# KiCad board RASBB.kicad_pcb (continued)
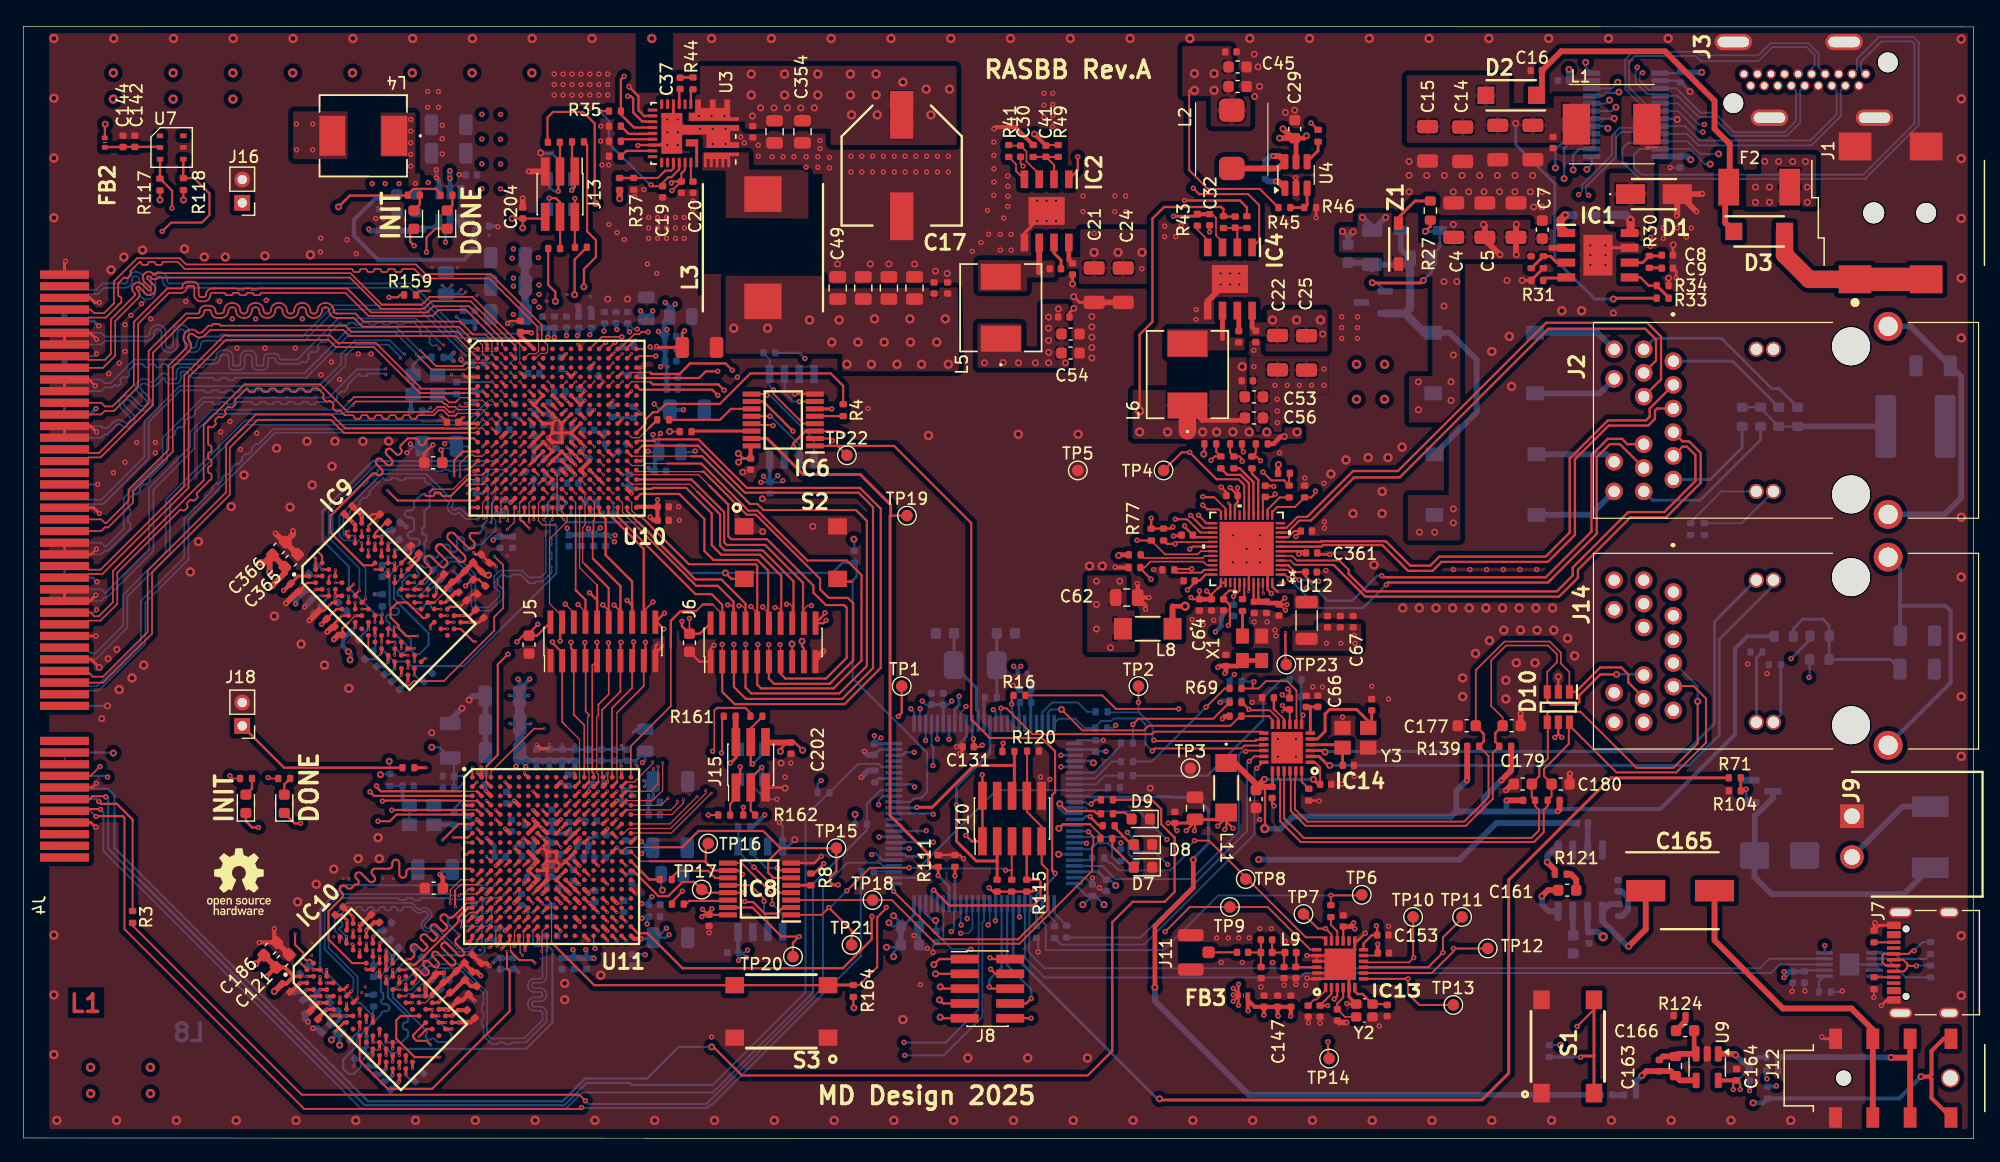
[diagram p0: board, top side]
## Nets (continued)
/Config-SPI FLASH/MUX_EN2: IC8.15 IC12.68 R112.2 TP20.1
/Config-SPI FLASH/SCK_Flash_FPGA1: IC6.14 R1.2
/Config-SPI FLASH/SCK_Flash_FPGA2: IC8.14 R6.1
/Config-SPI FLASH/SI_Flash_FPGA1: IC6.11 R2.2
/Config-SPI FLASH/SI_Flash_FPGA2: IC8.11 R7.1
/Config-SPI FLASH/SO_Flash_FPGA1: IC6.5 R4.2
/Config-SPI FLASH/SO_Flash_FPGA2: IC8.5 R8.1
/Config-SPI FLASH/SWITCH_FLASH_1: IC6.1 IC12.54 R113.1 TP22.1
/Config-SPI FLASH/SWITCH_FLASH_2: IC8.1 IC12.34 R106.2 TP21.1
/CS2_FLASH_uC: IC12.80 U11.U18
/CS_FLASH_FPGA2: IC8.2 U11.L13
/CS_FLASH_uC: IC6.3 IC8.3 IC12.41 TP18.1 U10.E18
/DDR3-01/CK_N: IC9.K7 R87.2 U10.V9
/DDR3-01/CK_P: IC9.J7 R87.1 U10.U9
/DDR3-01/DDR301_A0: IC9.N3 U10.R2
/DDR3-01/DDR301_A1: IC9.P7 U10.M6
/DDR3-01/DDR301_A2: IC9.P3 U10.N4
/DDR3-01/DDR301_A3: IC9.N2 U10.T1
/DDR3-01/DDR301_A4: IC9.P8 U10.N6
/DDR3-01/DDR301_A5: IC9.P2 U10.R7
/DDR3-01/DDR301_A6: IC9.R8 U10.V6
/DDR3-01/DDR301_A7: IC9.R2 U10.U7
/DDR3-01/DDR301_A8: IC9.T8 U10.R8
/DDR3-01/DDR301_A9: IC9.R3 U10.V7
/DDR3-01/DDR301_A10/AP: IC9.L7 U10.R6
/DDR3-01/DDR301_A11: IC9.R7 U10.U6
/DDR3-01/DDR301_A12/nBC: IC9.N7 U10.T6
/DDR3-01/DDR301_A13: IC9.T3 U10.T8
/DDR3-01/DDR301_BA0: IC9.M2 U10.R1
/DDR3-01/DDR301_BA1: IC9.N8 U10.P4
/DDR3-01/DDR301_BA2: IC9.M3 U10.P2
/DDR3-01/DDR301_CLKE: IC9.K9 U10.N5
/DDR3-01/DDR301_DQ0: IC9.E3 U10.K5
/DDR3-01/DDR301_DQ1: IC9.F7 U10.L3
/DDR3-01/DDR301_DQ2: IC9.F2 U10.K3
/DDR3-01/DDR301_DQ3: IC9.F8 U10.L6
/DDR3-01/DDR301_DQ4: IC9.H3 U10.M3
/DDR3-01/DDR301_DQ5: IC9.H8 U10.M1
/DDR3-01/DDR301_DQ6: IC9.G2 U10.L4
/DDR3-01/DDR301_DQ7: IC9.H7 U10.M2
/DDR3-01/DDR301_DQ8: IC9.D7 U10.V4
/DDR3-01/DDR301_DQ9: IC9.C3 U10.T4
/DDR3-01/DDR301_DQ10: IC9.C8 U10.U4
/DDR3-01/DDR301_DQ11: IC9.C2 U10.V5
/DDR3-01/DDR301_DQ12: IC9.A7 U10.V1
/DDR3-01/DDR301_DQ13: IC9.A2 U10.T3
/DDR3-01/DDR301_DQ14: IC9.B8 U10.U3
/DDR3-01/DDR301_DQ15: IC9.A3 U10.R3
/DDR3-01/DDR301_LDM: IC9.E7 U10.L1
/DDR3-01/DDR301_LDQS_N: IC9.G3 U10.N1
/DDR3-01/DDR301_LDQS_P: IC9.F3 U10.N2
/DDR3-01/DDR301_nCAS: IC9.K3 R86.1 U10.M4
/DDR3-01/DDR301_nCS: IC9.L2 U10.U8
/DDR3-01/DDR301_nRAS: IC9.J3 U10.P3
/DDR3-01/DDR301_nRST: IC9.T2 R85.1 U10.K6
/DDR3-01/DDR301_nWE: IC9.L3 U10.P5
/DDR3-01/DDR301_ODT: IC9.K1 U10.R5
/DDR3-01/DDR301_UDM: IC9.D3 U10.U1
/DDR3-01/DDR301_UDQS_N: IC9.B7 U10.U2
/DDR3-01/DDR301_UDQS_P: IC9.C7 U10.V2
/DDR3-01/VREF_DDR3: C76.1 C77.1 C84.1 IC9.H1 IC9.M8 R88.2 R89.1
/DDR3-2/CK_N: IC10.K7 R93.2 U11.V9
/DDR3-2/CK_P: IC10.J7 R93.1 U11.U9
/DDR3-2/DDR301_A0: IC10.N3 U11.R2
/DDR3-2/DDR301_A1: IC10.P7 U11.M6
/DDR3-2/DDR301_A2: IC10.P3 U11.N4
/DDR3-2/DDR301_A3: IC10.N2 U11.T1
/DDR3-2/DDR301_A4: IC10.P8 U11.N6
/DDR3-2/DDR301_A5: IC10.P2 U11.R7
/DDR3-2/DDR301_A6: IC10.R8 U11.V6
/DDR3-2/DDR301_A7: IC10.R2 U11.U7
/DDR3-2/DDR301_A8: IC10.T8 U11.R8
/DDR3-2/DDR301_A9: IC10.R3 U11.V7
/DDR3-2/DDR301_A10/AP: IC10.L7 U11.R6
/DDR3-2/DDR301_A11: IC10.R7 U11.U6
/DDR3-2/DDR301_A12/nBC: IC10.N7 U11.T6
/DDR3-2/DDR301_A13: IC10.T3 U11.T8
/DDR3-2/DDR301_BA0: IC10.M2 U11.R1
/DDR3-2/DDR301_BA1: IC10.N8 U11.P4
/DDR3-2/DDR301_BA2: IC10.M3 U11.P2
/DDR3-2/DDR301_CLKE: IC10.K9 U11.N5
/DDR3-2/DDR301_DQ0: IC10.E3 U11.K5
/DDR3-2/DDR301_DQ1: IC10.F7 U11.L3
/DDR3-2/DDR301_DQ2: IC10.F2 U11.K3
/DDR3-2/DDR301_DQ3: IC10.F8 U11.L6
/DDR3-2/DDR301_DQ4: IC10.H3 U11.M3
/DDR3-2/DDR301_DQ5: IC10.H8 U11.M1
/DDR3-2/DDR301_DQ6: IC10.G2 U11.L4
/DDR3-2/DDR301_DQ7: IC10.H7 U11.M2
/DDR3-2/DDR301_DQ8: IC10.D7 U11.V4
/DDR3-2/DDR301_DQ9: IC10.C3 U11.T4
/DDR3-2/DDR301_DQ10: IC10.C8 U11.U4
/DDR3-2/DDR301_DQ11: IC10.C2 U11.V5
/DDR3-2/DDR301_DQ12: IC10.A7 U11.V1
/DDR3-2/DDR301_DQ13: IC10.A2 U11.T3
/DDR3-2/DDR301_DQ14: IC10.B8 U11.U3
/DDR3-2/DDR301_DQ15: IC10.A3 U11.R3
/DDR3-2/DDR301_LDM: IC10.E7 U11.L1
/DDR3-2/DDR301_LDQS_N: IC10.G3 U11.N1
/DDR3-2/DDR301_LDQS_P: IC10.F3 U11.N2
/DDR3-2/DDR301_nCAS: IC10.K3 R92.1 U11.M4
/DDR3-2/DDR301_nCS: IC10.L2 U11.U8
/DDR3-2/DDR301_nRAS: IC10.J3 U11.P3
/DDR3-2/DDR301_nRST: IC10.T2 R91.1 U11.K6
/DDR3-2/DDR301_nWE: IC10.L3 U11.P5
/DDR3-2/DDR301_ODT: IC10.K1 U11.R5
/DDR3-2/DDR301_UDM: IC10.D3 U11.U1
/DDR3-2/DDR301_UDQS_N: IC10.B7 U11.V2
/DDR3-2/DDR301_UDQS_P: IC10.C7 U11.U2
/DDR3-2/VREF_DDR3: C99.1 C100.1 C107.1 IC10.H1 IC10.M8 R94.2 R95.1
/DEBUG_A0: J5.3 U10.T10 U11.B12
/DEBUG_A1: J5.5 U10.T11 U11.A13
/DEBUG_A2: J5.7 U10.R12 U11.B13
/DEBUG_A3: J5.9 U10.T13 U11.A14
/DEBUG_A4: J5.11 U10.R13 U11.B14
/DEBUG_A5: J5.13 U10.T14 U11.A15
/DEBUG_A6: J5.15 U10.P14 U11.A16
/DEBUG_A7: J5.17 U10.T15 U11.B16
/DEBUG_D0: J5.4 U10.V10 U11.C12
/DEBUG_D1: J5.6 U10.V11 U11.D12
/DEBUG_D2: J5.8 U10.U11 U11.D13
/DEBUG_D3: J5.10 U10.V12 U11.C14
/DEBUG_D4: J5.12 U10.U12 U11.D14
/DEBUG_D5: J5.14 U10.U13 U11.C15
/DEBUG_D6: J5.16 U10.V14 U11.D15
/DEBUG_D7: J5.18 U10.V15 U11.C16
/DEBUG_D8: J6.4 U10.V16 U11.A18
/DEBUG_D9: J6.6 U10.U16 U11.B18
/DEBUG_D10: J6.8 U10.V17 U11.B17
/DEBUG_D11: J6.10 U10.U17 U11.C17
/DEBUG_D12: J6.12 U10.U18 U11.D17
/DEBUG_D13: J6.14 U10.T18 U11.E15
/DEBUG_D14: J6.16 U10.R17 U11.D18
/DEBUG_D15: J6.18 U10.R18 U11.E16
/DEBUG_D16: J6.3 U10.L18 U11.E17
/DEBUG_D17: J6.5 U10.M18 U11.E18
/DEBUG_D18: J6.7 U10.M17 U11.F15
/DEBUG_D19: J6.9 U10.N17 U11.F16
/DEBUG_D20: J6.11 U10.P18 U11.F18
/DEBUG_D21: J6.13 U10.P17 U11.G16
/DEBUG_D22: J6.15 U10.N14 U11.G17
/DEBUG_D23: J6.17 U10.M14 U11.G18
/Ethernet_FPGA/G_ETH_CLK: R73.1 U12.42
/Ethernet_FPGA/G_ETH_RESET: R107.2 U11.A3 U12.29
/Ethernet_FPGA/LED_GR_ETH: J2.17 R74.2 U12.34
/Ethernet_FPGA/LED_YL_ETH: J2.19 R76.2 U12.35
/Ethernet_FPGA/MDI0_N: J2.10 U12.2
/Ethernet_FPGA/MDI0_P: J2.11 U12.1
/Ethernet_FPGA/MDI1_N: J2.5 U12.5
/Ethernet_FPGA/MDI1_P: J2.4 U12.4
/Ethernet_FPGA/MDI2_N: J2.2 U12.8
/Ethernet_FPGA/MDI2_P: J2.3 U12.7
/Ethernet_FPGA/MDI3_N: J2.9 U12.11
/Ethernet_FPGA/MDI3_P: J2.8 U12.10
/Ethernet_FPGA/RGMII_MDC: U11.A1 U12.30
/Ethernet_FPGA/RGMII_MDIO: R77.2 U11.B1 U12.31
/Ethernet_FPGA/RGMII_RXC: TP4.1 U11.E1 U12.19
/Ethernet_FPGA/RGMII_RXD0: R57.1 R63.1 U11.C1
/Ethernet_FPGA/RGMII_RXD1: R58.1 R64.1 U11.C2
/Ethernet_FPGA/RGMII_RXD2: R61.1 R65.1 U11.D2
/Ethernet_FPGA/RGMII_RXD3: R62.1 R66.1 U11.E2
/Ethernet_FPGA/RGMII_RXDV: R60.2 U11.B3 U12.13
/Ethernet_FPGA/RGMII_TX_EN: U11.G2 U12.27
/Ethernet_FPGA/RGMII_TXC: U11.F4 U12.22
/Ethernet_FPGA/RGMII_TXD0: U11.F1 U12.23
/Ethernet_FPGA/RGMII_TXD1: U11.G1 U12.24
/Ethernet_FPGA/RGMII_TXD2: U11.H1 U12.25
/Ethernet_FPGA/RGMII_TXD3: U11.H2 U12.26
/Ethernet_uC/ETH_RESET: IC12.25 IC14.15 R75.2
/Ethernet_uC/LED_GR_ETH: IC14.3 J14.17
/Ethernet_uC/LED_YL_ETH: IC14.2 J14.19
/Ethernet_uC/RMII_CRS_DV: R20.1 R70.2
/Ethernet_uC/RMII_MDC: IC12.16 IC14.13
/Ethernet_uC/RMII_MDIO: IC12.24 IC14.12 R136.1
/Ethernet_uC/RMII_REFCLK: IC14.14 R18.1 TP2.1
/Ethernet_uC/RMII_RXD0: R23.1 R69.1
/Ethernet_uC/RMII_RXD1: R24.1 R68.1
/Ethernet_uC/RMII_TX_EN: IC12.47 IC14.16
/Ethernet_uC/RMII_TXD0: IC14.17 R19.1
/Ethernet_uC/RMII_TXD1: IC14.18 R17.1
/Ethernet_uC/RX_N: C178.1 D10.3 IC14.22 J14.10 R140.1
/Ethernet_uC/RX_P: C177.1 D10.1 IC14.23 J14.11 R139.1
/Ethernet_uC/TX_N: C180.1 D10.6 IC14.20 J14.5 R142.1
/Ethernet_uC/TX_P: C179.1 D10.4 IC14.21 J14.4 R141.1
/FPGA-01/BANK0/FPGA01_DONE: D13.1 U10.P10
/FPGA-01/BANK0/FPGA01_INIT: D15.1 U10.P7
/FPGA-01/BANK0/FPGA1_TDO: R154.2 U10.E13
/FPGA-01/BANK0/JTAG1_TCK: R155.2 U10.E10
/FPGA-01/BANK0/JTAG1_TDI: R153.2 U10.E11
/FPGA-01/BANK0/JTAG1_TMS: R152.2 U10.E12
/FPGA-01/F1_B15_C15: IC11.4 U10.C15
/FPGA-01/F1_B15_D15: IC11.3 U10.D15
/FPGA-01/F1_B15_E15: IC11.2 U10.E15
/FPGA-01/F1_B15_E16: IC11.1 U10.E16
/FPGA-01/FPGA1_CLK: R1.1 U10.E9
/FPGA-01/FPGA1_MISO: R4.1 U10.K18
/FPGA-01/FPGA1_MOSI: R2.1 U10.K17
/FPGA-01/FPGA01_PROG: IC12.90 R156.2 S2.3 S2.4 U10.P9
/FPGA-02/BANK0/FPGA02_DONE: D14.1 U11.P10
/FPGA-02/BANK0/FPGA02_INIT: D16.1 U11.P7
/FPGA-02/BANK0/FPGA2_TDO: R162.2 U11.E13
/FPGA-02/BANK0/JTAG2_TCK: R163.2 U11.E10
/FPGA-02/BANK0/JTAG2_TDI: R161.2 U11.E11
/FPGA-02/BANK0/JTAG2_TMS: R160.2 U11.E12
/FPGA-02/F2_B14_P15: IC12.98 U11.P15
/FPGA-02/F2_B14_R15: IC12.3 U11.R15
/FPGA-02/F2_B14_R16: IC12.4 U11.R16
/FPGA-02/F2_B14_T15: IC12.5 U11.T15
/FPGA-02/F2_B14_T16: IC12.28 U11.T16
/FPGA-02/F2_B14_U14: IC12.64 U11.U14
/FPGA-02/F2_B14_U16: IC12.30 U11.U16
/FPGA-02/F2_B14_V14: IC12.63 U11.V14
/FPGA-02/F2_B14_V15: IC12.65 U11.V15
/FPGA-02/F2_B14_V16: IC12.84 U11.V16
/FPGA-02/F2_B14_V17: IC12.93 U11.V17
/FPGA-02/FPGA02_PROG: IC12.91 R164.2 S3.3 S3.4 U11.P9
/HDMI/HDMI_5V: C124.1 IC11.13 J3.18
/HDMI/HDMI_CEC_B: IC11.7 J3.13
/HDMI/HDMI_CLK_N: IC11.15 J3.12 U10.A14
/HDMI/HDMI_CLK_P: IC11.16 J3.10 U10.A13
/HDMI/HDMI_D0_N: IC11.17 J3.9 U10.B17
/HDMI/HDMI_D0_P: IC11.18 J3.7 U10.B16
/HDMI/HDMI_D1_N: IC11.20 J3.6 U10.A16
/HDMI/HDMI_D1_P: IC11.21 J3.4 U10.A15
/HDMI/HDMI_D2_N: IC11.22 J3.3 U10.A18
/HDMI/HDMI_D2_P: IC11.23 J3.1 U10.B18
/HDMI/HDMI_HPD_B: IC11.10 J3.19
/HDMI/HDMI_SCL_B: IC11.8 J3.15
/HDMI/HDMI_SDA_B: IC11.9 J3.16
/PCIE/PCIE_CS: IC12.37 J4.A08
/PCIE/PCIE_MISO: J4.A07 R12.1
/PCIE/PCIE_MOSI: J4.A06 R3.1
/PCIE/PCIE_SCK: J4.A05 R11.1
/PCIE/RX0_N: J4.A14 U10.J2
/PCIE/RX0_P: J4.A13 U10.J3
/PCIE/RX1_N: J4.B14 U10.K1
/PCIE/RX1_P: J4.B15 U10.K2
/PCIE/RX2_N: J4.A17 U10.G3
/PCIE/RX2_P: J4.A16 U10.G4
/PCIE/RX3_N: J4.B20 U10.G1
/PCIE/RX3_P: J4.B19 U10.H1
/PCIE/RX4_N: J4.A22 U10.G2
/PCIE/RX4_P: J4.A21 U10.H2
/PCIE/RX5_N: J4.B24 U10.E1
/PCIE/RX5_P: J4.B23 U10.F1
/PCIE/RX6_N: J4.A26 U10.F3
/PCIE/RX6_P: J4.A25 U10.F4
/PCIE/RX7_N: J4.B28 U10.A1
/PCIE/RX7_P: J4.B27 U10.B1
/PCIE/RX8_N: J4.A29 U10.E5
/PCIE/RX8_P: J4.A30 U10.E6
/PCIE/RX9_N: J4.B33 U10.B2
/PCIE/RX9_P: J4.B34 U10.B3
/PCIE/RX10_N: J4.A35 U10.C1
/PCIE/RX10_P: J4.A36 U10.C2
/PCIE/RX11_N: J4.B37 U10.A3
/PCIE/RX11_P: J4.B38 U10.A4
/PCIE/RX12_N: J4.A39 U10.D4
/PCIE/RX12_P: J4.A40 U10.D5
/PCIE/RX13_N: J4.B41 U10.A5
/PCIE/RX13_P: J4.B42 U10.A6
/PCIE/RX14_N: J4.A44 U10.B4
/PCIE/RX14_P: J4.A43 U10.C4
/PCIE/RX15_N: J4.B45 U10.B6
/PCIE/RX15_P: J4.B46 U10.B7
/PCIE/RX16_N: J4.A47 U10.C5
/PCIE/RX16_P: J4.A48 U10.C6
/PCIE/SMCLK: IC12.92 J4.B05 R10.1
/PCIE/SMDAT: IC12.96 J4.B06 R9.1
/POWER/PGOOD_1V: IC2.1 IC4.1 R35.2 U3.13
/POWER/PGOOD_1V8: C30.1 IC2.3 R41.1
/POWER/PGOOD_3V3: C32.1 IC3.5 IC4.3 R43.1
/RF_Transceiver/BUSY_LORA_G: IC12.8 IC13.7 TP13.1
/RF_Transceiver/DIO1_LORA_G: IC12.1 IC13.8 TP12.1
/RF_Transceiver/DIO2_LORA_G: IC12.2 IC13.9 TP11.1
/RF_Transceiver/DIO3_LORA_G: IC12.9 IC13.10 TP10.1
/RF_Transceiver/LORA_VDDIO: C146.1 C147.1 C148.1 C152.1 C154.1 FB3.2 IC13.11 IC13.15
/RF_Transceiver/NRST_LORA_G: IC12.7 IC13.3 TP14.1
/RF_Transceiver/SPI_MISO_LORA_G: IC13.16 R22.2
/RF_Transceiver/SPI_MOSI_LORA_G: IC13.17 R16.2 TP7.1
/RF_Transceiver/SPI_NSS_LORA_G: IC12.70 IC13.19 TP9.1
/RF_Transceiver/SPI_SCK_LORA_G: IC13.18 R15.2 TP8.1
/SCK_FLASH_FPGA2: R6.2 U11.E9
/SCK_FLASH_uC: IC6.13 IC8.13 R13.1 TP17.1 U10.D18 U11.L18
/SI_FLASH_FPGA2: R7.2 U11.K18
/SI_FLASH_uC: IC6.10 IC8.10 R14.1 TP16.1 U10.E17 U11.J18
/SO_FLASH_FPGA2: R8.2 U11.K17
/SO_FLASH_uC: IC6.6 IC8.6 IC12.43 TP15.1 U10.D17 U11.J17
/uController/ADC1_IN5: C1.1 IC12.35
/uController/ALARM: IC12.58 R71.1
/uController/BOOT0: IC12.94 R105.1
/uController/DBG_JTCK_SWCLK: IC12.76 J10.8 J10.9 R120.2
/uController/DBG_JTDI: IC12.77 J10.5 R114.1
/uController/DBG_JTDO_SWO: IC12.89 J10.6 R119.1
/uController/DBG_JTMS_SWDIO: IC12.72 J10.7 R115.1
/uController/PD0_DEBUG: IC12.81 J8.1
/uController/PD1_DEBUG: IC12.82 J8.3
/uController/PD2_DEBUG: IC12.83 J8.5
/uController/PD4_DEBUG: IC12.85 J8.7
/uController/PD7_DEBUG: IC12.88 J8.9
/uController/PD10_DEBUG: IC12.57 J8.10
/uController/PD12_DEBUG: IC12.59 J8.8
/uController/PD13_DEBUG: IC12.60 J8.6
/uController/PD14_DEBUG: IC12.61 J8.4
/uController/PD15_DEBUG: IC12.62 J8.2
/uController/uC_CONFIG: IC12.15 R96.2 S1.3 S1.4
/uController/uC_DAC2_OUT2: C2.1 IC12.29
/uController/uC_ETH_CRS_DV: IC12.31 R20.2
/uController/uC_ETH_REF_CLK: IC12.23 R18.2
/uController/uC_ETH_RXD0: IC12.32 R23.2
/uController/uC_ETH_RXD1: IC12.33 R24.2
/uController/uC_ETH_TXD0: IC12.51 R19.2
/uController/uC_ETH_TXD1: IC12.52 R17.2
/uController/uC_GR: IC12.39 R109.1
/uController/uC_I2C3_SCL: IC12.67 R117.1 U7.3
/uController/uC_I2C3_SDA: IC12.66 R118.1 U7.4
/uController/uC_NRST: IC12.14 J10.3 R116.1
/uController/uC_OSC_IN: C139.1 IC12.12 Y1.1
/uController/uC_RED: IC12.40 R108.1
/uController/uC_SPI2_MISO: IC12.53 R22.1 TP6.1
/uController/uC_SPI2_MOSI: IC12.18 R16.1
/uController/uC_SPI2_SCK: IC12.46 R15.1
/uController/uC_SPI3_MISO: IC12.79 R3.2
/uController/uC_SPI3_MOSI: IC12.36 R12.2
/uController/uC_SPI3_SCK: IC12.78 R11.2
/uController/uC_SPI4_MOSI: IC12.44 R14.2
/uController/uC_SPI4_SCK: IC12.42 R13.2
/uController/uC_UART3_RX: IC12.56 U6.8
/uController/uC_UART3_TX: IC12.55 U6.9
/uController/uC_VCAP: C141.1 C143.1 IC12.48 IC12.73
/uController/uC_VDDA: C130.1 C132.1 FB1.2 IC12.21
/uController/uC_YL: IC12.38 R110.1
/VDC_IN: C3.1 C4.1 C5.1 C6.1 C7.1 D4.1 D5.1 IC1.2 R25.2 R28.1 Z1.1
Net-(C1-Pad2): C1.2 R21.1
Net-(C9-Pad1): C9.1 R30.1
Net-(C10-Pad2): C10.2 R32.2
Net-(C16-Pad1): C16.1 D2.1 D3.1 F2.1
Net-(C37-Pad2): C37.2 R44.2
Net-(C73-Pad1): C73.1 R78.1 R79.1 R80.1 R81.1
Net-(C74-Pad1): C74.1 J2.MH1 J2.MH2
Net-(C140-Pad1): C140.1 R102.2 Y1.2
Net-(C156-Pad1): C156.1 C157.1 L9.2 L10.1
Net-(C157-Pad2): C157.2 C158.1 C159.2 L10.2
Net-(C161-Pad1): C161.1 U8.8
Net-(C161-Pad2): C161.2 R121.2
Net-(C162-Pad1): C162.1 R122.1
Net-(C165-Pad1): C165.1 R122.2 U8.5
Net-(C165-Pad2): C165.2 J12.2A J12.2B
Net-(C166-Pad2): C166.2 R124.1
Net-(C167-Pad2): C167.2 J12.3A J12.3B R127.2
Net-(C181-Pad1): C181.1 R143.2 R144.1 R145.1
Net-(C183-Pad1): C183.1 J14.MH1 J14.MH2
Net-(D3-Pad2): D3.2 J1.1A J1.1B
Net-(D6-K): D6.1 F1.1 Q1.3
Net-(D7-A): D7.2 R108.2
Net-(D8-A): D8.2 R109.2
Net-(D9-A): D9.2 R110.2
Net-(D11-I/O1): D11.1 J13.3 R154.1
Net-(D11-I/O2): D11.3 J13.1 R152.1
Net-(D11-I/O3): D11.4 J13.2 R153.1
Net-(D11-I/O4): D11.6 J13.4 R155.1
Net-(D12-I/O1): D12.1 J15.3 R162.1
Net-(D12-I/O2): D12.3 J15.1 R160.1
Net-(D12-I/O3): D12.4 J15.2 R161.1
Net-(D12-I/O4): D12.6 J15.4 R163.1
Net-(D13-A): D13.2 R5.2
Net-(D14-A): D14.2 R56.2
Net-(D15-A): D15.2 R54.2
Net-(D16-A): D16.2 R103.2
Net-(F1-Pad2): F1.2 J9.2
Net-(IC1-BOOT): C10.1 IC1.1
Net-(IC1-COMP): C8.1 IC1.6 R30.2
Net-(IC1-EN): IC1.3 R28.2 R29.2
Net-(IC1-FB): IC1.5 R33.2 R34.1
Net-(IC1-RT/SYNC): IC1.4 R31.2
Net-(IC1-SW): D1.1 IC1.8 L1.1 R32.1
Net-(IC2-PG): IC2.4 R41.2
Net-(IC2-SW): C35.1 IC2.6 L5.2
Net-(IC2-VBST): C35.2 IC2.7
Net-(IC2-VFB): C41.2 IC2.2 R49.2 R50.2
Net-(IC3-SW): C34.1 IC3.2 L4.2
Net-(IC3-VBST): C34.2 IC3.6
Net-(IC3-VFB): IC3.4 R47.2 R48.1
Net-(IC4-PG): IC4.4 R43.2
Net-(IC4-SW): C36.1 IC4.6 L6.2
Net-(IC4-VBST): C36.2 IC4.7
Net-(IC4-VFB): C43.2 IC4.2 R51.1 R52.2
Net-(IC5-CS#): IC5.1 IC6.4 R53.2
Net-(IC5-SCK): IC5.6 IC6.12
Net-(IC5-SI/IO0): IC5.5 IC6.9
Net-(IC5-SO/IO1): IC5.2 IC6.7
Net-(IC7-CS#): IC7.1 IC8.4 R55.2
Net-(IC7-SCK): IC7.6 IC8.12
Net-(IC7-SI/IO0): IC7.5 IC8.9
Net-(IC7-SO/IO1): IC7.2 IC8.7
Net-(IC9-ZQ): IC9.L8 R84.1
Net-(IC10-ZQ): IC10.L8 R90.1
Net-(IC12-PH1-OSC_OUT): IC12.13 R102.1
Net-(IC13-DCC_FB): C150.1 C153.1 IC13.2 IC13.12
Net-(IC13-RFIO): C155.1 IC13.22 L9.1
Net-(IC13-VR_PA): C151.1 IC13.1
Net-(IC13-XTA): C149.1 IC13.4 Y2.3
Net-(IC13-XTB): C145.1 IC13.6 Y2.1
Net-(IC14-CRS_DV/~{MODE2}): IC14.11 R70.1 R137.1
Net-(IC14-RBIAS): IC14.24 R134.2
Net-(IC14-RXD0/~{MODE0}): IC14.8 R69.2 R133.1
Net-(IC14-RXD1/~{MODE1}): IC14.7 R68.2 R132.1
Net-(IC14-RXER/~{PHYAD0}): IC14.10 R135.1
Net-(IC14-VDDCR): C66.1 C171.1 IC14.6
Net-(IC14-XTAL1/CLKIN): C176.1 IC14.5 Y3.1
Net-(IC14-XTAL2): C168.1 IC14.4 Y3.3
Net-(J2-GN_K): J2.18 R82.1
Net-(J2-MDCT1): J2.12 R78.2
Net-(J2-MDCT2): J2.6 R79.2
Net-(J2-MDCT3): J2.1 R80.2
Net-(J2-MDCT4): J2.7 R81.2
Net-(J2-VDC1+): D4.4 J2.13
Net-(J2-VDC1-): D4.2 J2.14
Net-(J2-VDC2+): D5.4 J2.15
Net-(J2-VDC2-): D5.2 J2.16
Net-(J2-YL_K): J2.20 R83.1
Net-(J7-CC1): J7.A5 R97.1
Net-(J7-CC2): J7.B5 R98.1
Net-(J7-D+-PadA6): J7.A6 J7.B6 R100.2
Net-(J7-D--PadA7): J7.A7 J7.B7 R99.2
Net-(J11-In): C159.1 J11.1
Net-(J14-GN_K): J14.18 R150.1
Net-(J14-MDCT1): J14.12 R144.2
Net-(J14-MDCT2): J14.6 R145.2
Net-(J14-YL_K): J14.20 R151.1
Net-(J16-Pin_1): J16.1 R159.1
Net-(J18-Pin_1): J18.1 R167.1
Net-(Q1-G): Q1.1 R71.2 R104.1
Net-(R27-Pad2): R27.2 Z1.2
Net-(R121-Pad1): R121.1 U8.1
Net-(U2-G): R26.2 R27.1 U1.1 U2.1
Net-(U3A-ADDR): R40.2 U3.14
Net-(U3A-BOOT): C37.1 U3.6
Net-(U3A-EN): R36.1 R37.2 U3.21
Net-(U3A-PH): R44.1 U3.4
Net-(U3A-RT/SYNC): R38.2 U3.17
Net-(U3A-SW): L3.1 U3.26-31
Net-(U3A-VSET): R39.2 U3.15
Net-(U3B-PVCC): C20.1 U3.24
Net-(U3B-VDD): C19.1 R35.1 U3.22
Net-(U4-BST): C33.1 U4.1
Net-(U4-EN): R42.2 U4.4
Net-(U4-FB): R45.1 R46.2 U4.3
Net-(U4-SW): C33.2 L2.1 U4.6
Net-(U6-TNOW): R101.2 U6.6
Net-(U6-UD+): R100.1 U6.1
Net-(U6-UD-): R99.1 U6.2
Net-(U7-VDD): C142.1 C144.1 FB2.2 U7.2
Net-(U8-BYPASS): C160.1 U8.7
Net-(U9-+): C167.1 R125.1 R126.2 U9.1
Net-(U9--): C163.1 C166.1 R123.1 U9.3
Net-(U10C-IO_L12N_T1_MRCC_35): R159.2 U10.D3
Net-(U10C-IO_L12P_T1_MRCC_35): R158.2 U10.E3
Net-(U11C-IO_L12N_T1_MRCC_35): R167.2 U11.D3
Net-(U11C-IO_L12P_T1_MRCC_35): R166.2 U11.E3
Net-(U12-CLK125): TP23.1 U12.46
Net-(U12-LED2/RXDLY): R59.2 U12.32
Net-(U12-REG_OUT): L7.2 U12.48
Net-(U12-RXD0/SELRGV): R63.2 U12.14
Net-(U12-RXD1/TXDLY): R64.2 U12.16
Net-(U12-RXD2/AN0): R65.2 U12.17
Net-(U12-RXD3/AN1): R66.2 U12.18
Net-(X1-OUT): R73.2 X1.3
Net-(X3-EN): C258.1 R157.1 X3.1 X3.4
Net-(X3-OUT): R158.1 X3.3
Net-(X4-EN): C342.1 R72.1 X4.1 X4.4
Net-(X4-OUT): R166.1 X4.3

Pads without a net: D11 5; D12 5; IC5 3 7; IC7 3 7; IC9 J1 J9 L1 L9 M7 T7; IC10 J1 J9 L1 L9 M7 T7; IC12 17 20 22 71 86 87 95 97; IC13 14; J3 14; J4 A01 A02 A03 A11 A19 A32 A33 A34 B01 B02 B03 B09 B10 B11 B12 B13 B17 B30 B31 B32 B48; J7 A4 A8 A9 B4 B8 B9; J10 4; J14 1 2 3 7 8 9 13 14 15 16; U3 5 8 9 10 18 19 20 25; U6 4 5; U7 1 6; U10 A8 A9 A10 A11 B8 B9 B11 B12 B13 B14 C7 C9 C10 C11 C12 C14 C16 C17 D2 D7 D8 D9 D10 D12 D13 D14 E2 E7 F5 F6 F13 F14 F15 F16 F18 G6 G13 G14 G16 G17 G18 H4 H5 H6 H14 H15 H16 H17 J4 J5 J13 J14 J15 J17 J18 K13 K15 K16 L5 L14 L15 L16 M13 M16 N15 N16 P15 R10 R11 R15 R16 T5 T9 T16 U14; U11 A4 A5 A6 A8 A9 A10 A11 B2 B4 B6 B7 B8 B9 B11 C4 C5 C6 C7 C9 C10 C11 D4 D5 D7 D8 D9 D10 E5 E6 E7 F3 F5 F6 F13 F14 G3 G4 G6 G13 G14 H4 H5 H6 H14 H15 H16 H17 J2 J3 J4 J5 J13 J14 J15 K1 K2 K13 K15 K16 L5 L14 L15 L16 M13 M14 M16 M17 M18 N14 N15 N16 N17 P14 P17 P18 R10 R11 R12 R13 R17 R18 T5 T9 T10 T11 T13 T14 T18 U11 U12 U13 U17 V10 V11 V12; U12 12 20 33 39

## Via types
v1: diameter 0.6, hole 0.3, Top to Bottom, 226 vias
v2: diameter 0.25, hole 0.15, Top to Bottom, 632 vias
v3: diameter 0.8, hole 0.4, Top to Bottom, 235 vias
v4: diameter 0.46, hole 0.2, Top to Bottom, 815 vias

## Routing (per net, layer and track width the routed paths; a pad name or vN(x,y) marks a point on that pad's centre or on a via; arc(x,y) is an arc through that point)
+1V0: length 143.1
  Top w0.2: v4(51.82,89.42) 52.1,89.42 52.29,89.23 52.29,88.03 53.07,87.26 53.32,87.26 53.35,87.23 U3.12
  Top w0.25: U11.J11 v2(46.9,25) ; U10.G11 v2(46.57,63.34) U10.F10 ; U10.G7 U10.F8 v2(44.17,64.14) ; U10.G7 v2(43.37,63.34) ; U10.G7 U10.H8 ; v2(46.9,21) U11.N11 U11.M10 v2(46.1,22.6) U11.L11 ; U11.H8 v2(43.7,25.8) ; U10.M8 U10.N7 v2(43.37,57.74) ; U10.L11 v2(47.37,59.34) ; U10.G9 v2(45.77,62.54) ; v2(43.7,27.4) U11.F8 v2(44.5,26.6) U11.G9 ; v2(43.37,59.34) U10.L7 U10.K8 ; U10.J11 v2(47.37,61.74) ; U11.K8 v2(43.7,23.4) ; v2(47.37,57.74) U10.N11 U10.M10 U10.N9 v2(44.97,57.74) ; U11.F10 v2(46.1,27.4) ; U11.G11 v2(46.9,26.6) ; v2(43.7,21.8) U11.M8 U11.L7 ; U10.J7 v2(43.37,61.74) ; U11.N9 v2(44.5,21)
  Top w0.35: v2(43.7,27.4) U11.F8 U11.G7 ; U11.M8 v2(43.7,21.8) U11.N7 ; U11.H8 v2(43.7,25.8) ; U11.J11 v2(46.9,25) ; U11.L7 v2(43.7,23.4) U11.K8 U11.J7 ; U11.G9 v2(44.5,26.6) ; U11.N11 v2(46.9,21) ; U11.F10 v2(46.1,27.4) ; U11.N9 v2(44.5,21)
  In3.Cu w0.2: 51.78,89.46 v4(51.82,89.42) 50.99,88.59 50.99,83.31 49.9,82.21 49.9,79.53 58,71.42 69.42,71.42 70.59,72.59 71.82,72.59 72.99,71.43 v3(72.99,70.32)
  Bottom w0.177: v2(44.97,57.74) 45.47,58.24 C205.1 ; C291.1 46.32,24.42 v2(46.9,25)
  Bottom w0.2: 42.57,32.43 v4(43.09,31.92) ; v2(43.7,27.4) 43.7,27.29 44.05,26.94 ; C304.1 42.57,32.28 v4(42.24,31.95) ; C198.1 54.59,62.52 v4(54.09,63.02) ; v2(43.33,38.02) 43.28,37.97 C302.1 41.75,37.97 v2(41.7,38.02) ; v4(46.64,52.37) 46.64,51.92 ; C281.1 43.72,25.78 v2(43.7,25.8) ; v4(50.75,51.76) 50.71,51.8 C214.1 ; v4(49.47,52.39) 48.9,51.82 ; v2(46.9,26.6) 46.78,26.48 46.78,26.17 ; 72.92,70.32 v3(72.99,70.32) ; v2(43.7,23.4) 43.71,23.41 C289.1 ; 50.09,51.8 v4(50.69,51.2) ; 56.6,62.52 v4(56.61,62.53) ; v2(43.37,57.74) 43.79,58.16 C189.1 ; v2(41.73,35.62) 41.81,35.54 C303.1 43.52,35.54
  Bottom w0.25: v4(53.01,24.46) 53.5,24.95 53.98,24.95 53.54,24.95 v4(53,25.49) ; v2(46.1,27.4) 45.97,27.27 C274.1 ; C194.1 47.05,59.66 v2(47.37,59.34) ; C190.1 47.37,57.87 v2(47.37,57.74) ; v2(46.1,22.6) 45.96,22.46 C269.1 ; v2(43.37,63.34) 43.52,63.19 C209.1 ; C293.1 44.5,21.06 v2(44.5,21) ; C277.1 43.7,21.98 v2(43.7,21.8) ; C285.1 44.75,26.35 v2(44.5,26.6) ; C207.1 47.05,61.42 v2(47.37,61.74) ; v2(46.57,63.34) 46.48,63.43 C201.1 ; v2(43.37,61.74) 43.64,61.47 C185.1 ; v2(43.37,59.34) C193.1 ; v2(45.77,62.54) 45.16,63.15
  Bottom w0.35: C274.1 C285.1 45.51,26.17 46.77,26.17 C278.1 ; v4(46.58,68.88) 46.57,68.89 C217.1 ; C193.1 43.82,58.4 C189.1 ; 44.19,73.19 v4(44.22,73.22) ; C293.1 44.9,22.07 C269.1 ; 42.03,70.69 v4(42.02,70.7) ; v4(48.22,16.22) 48.28,16.16 C295.1 ; C289.1 43.72,24.21 C281.1 ; C205.1 46.44,58.24 C190.1 ; v4(42.42,39.42) 42.56,39.28 C302.1 42.56,38.55 v4(43.42,39.42) ; v4(47.12,16.22) 47.22,16.12 C296.1 ; v4(45.53,68.73) C216.1 45.03,69.56 ; C215.1 45.03,69.56 ; 45.03,69.56 45.03,68.8 v4(44.97,68.74) ; C198.1 56.6,62.52 ; C207.1 C194.1
  Bottom w0.4: 46.82,51.8 C214.1
  Bottom w0.5: C299.1 45.11,31.81 v2(45.11,31.81) ; v2(46.21,31.93) 46.21,31.93 C301.1 ; v2(44.01,31.81) 44,31.82 C297.1 ; 48.46,51.8 v4(48.46,52.34) ; C297.1 C298.1 47.32,31.94 v2(47.31,31.93) ; C297.1 43.28,32.42 C304.1 ; v4(48.92,15.47) 48.89,15.5 C295.1 C296.1 C300.1
  Bottom w0.7: C219.1 C220.1 C218.1
  Bottom w0.8: C302.1 42.56,33.15
  vias: v2(43.52,35.6) v3(60.92,69.52) v3(63.82,69.52) v3(67.42,70.22) v3(69.32,68.32) v3(69.95,70.22) v3(70.62,66.42) v3(71.57,68.32) v3(72.72,66.42) v3(73.82,68.32) v3(74.92,66.42) v3(76.02,70.32) v3(76.07,68.32) v3(77.02,66.42) v3(78.32,68.32) v3(79.05,70.32) v3(79.32,66.42) v4(41.92,75.52) v4(42.02,76.32) v4(42.02,73.82) v4(42.02,73.12) v4(43.82,71.82) v4(44.17,75.57) v4(44.22,72.42) v4(44.22,71.32)
+1V8: length 75.8
  Top w0.1: 37.7,61.87 v2(37.78,61.87)
  Top w0.17: R49.1 87.73,85.23
  Top w0.177: U11.H10 v2(46.1,25)
  Top w0.2: U10.G5 v2(41.77,63.34) ; 37.41,61.34 38.4,61.34
  Top w0.25: v2(48.17,61.74) U10.H12 ; U10.C3 v2(40.17,66.54) ; U10.J1 38.4,61.34 ; U10.B10 v2(46.57,67.34) ; C265.1 37.7,61.87 ; U11.M12 v2(47.7,21.8) ; U11.H12 v2(47.7,25.8) ; U11.K12 v2(47.7,23.4) ; U10.E8 v2(44.97,64.14) ; U11.E8 v2(43.7,28.2) ; U11.F12 v2(47.7,27.4) ; U10.H10 v2(46.57,62.54) ; U10.F12 v2(48.17,64.14) ; U10.F2 v2(39.37,64.14) ; U10.M12 v2(48.17,58.54) ; U10.K12 v2(48.17,60.14) ; U10.D6 v2(42.57,65.74)
  Top w0.35: U11.F12 v2(47.7,27.4) ; U11.E8 v2(43.7,28.2) ; v4(43.57,69.12) 43.5,69.19 C225.1 42.62,68.89 U10.A7 ; U11.H12 v2(47.7,25.8) ; U11.K12 v2(47.7,23.4) ; U11.B10 v2(46.1,30.6) ; v1(86.69,86.17) C41.1
  In3.Cu w0.35: v1(86.69,86.17) 85.47,86.17 83.77,84.47 83.77,79.72 80.27,76.22 80.27,68.69 v1(82.42,66.54)
  Bottom w0.1: 39.33,64.1 v2(39.37,64.14)
  Bottom w0.177: v2(48.17,60.14) 47.99,60.32 C264.1 ; 47.08,24.02 v2(47.7,23.4)
  Bottom w0.186: C210.1 52.32,69.44 v4(52.64,69.44) ; v4(48.57,68.96) 48.72,69.11 C223.1
  Bottom w0.2: v2(35.92,73.21) 36.24,72.89 C192.2 ; C192.2 37.12,72.44 v2(37.54,72.86) ; C192.2 37.75,72.44 v2(37.94,72.63) ; v4(50.9,69.4) 50.82,69.48 C208.1 ; C206.1 49.82,69.31 v4(49.78,69.27) ; C275.1 47.85,27.25 v2(47.7,27.4) ; v4(51.99,69.21) 51.82,69.38 C210.1 ; v4(52.92,71.01) 53.42,70.51 ; 37.58,70.06 v2(37.14,70.5) ; 36.24,72.71 v2(36.75,73.22) ; v2(47.7,21.8) 47.39,21.8 47.1,22.09 ; v4(53.97,71) 53.42,70.45 ; v2(41.77,63.34) 41.8,63.34 C196.1
  Bottom w0.25: v2(48.17,58.54) 48.3,58.54 C263.1 ; C191.1 46.46,67.34 v2(46.57,67.34) ; C182.1 39.33,64.1 ; v4(53.09,32.26) 53.32,32.49 C187.1 52.52,32.42 ; 39.49,66.54 v2(40.17,66.54) ; 51.22,32.42 51.22,32.02 v2(51.27,31.97) ; 51.22,32.42 C290.1 52.52,32.42 ; 51.22,32.42 C307.1 ; 52.52,32.42 52.52,32.07 v2(52.67,31.92) ; v2(42.57,65.74) 42.66,65.65 C200.1 ; v2(48.17,61.74) 48.17,61.82 C262.1 ; C261.1 47.97,64.34 v2(48.17,64.14)
  Bottom w0.35: C308.1 46.45,30.27 46.1,30.62 ; v4(47.51,68.88) 47.62,68.99 C224.1 ; C280.1 47.7,25.31 v2(47.7,25.8)
  Bottom w0.4: v2(36.91,66.7) 36.58,67.03 R157.2 36.54,67.03 v2(36.92,67.41) ; v2(38.72,69.46) C266.1 C267.1
  vias: v1(84.02,66.57) v1(85.33,66.54) v1(86.78,66.54) v1(87.92,70.47) v1(87.92,69.52) v1(87.92,68.47) v1(87.92,67.44) v1(87.92,66.54) v1(88.75,71.17) v1(89.37,66.54)
+1V35: length 131.6
  Top w0.1: 28.45,44.85 27.87,44.27
  Top w0.186: 31.11,52.88 30.15,51.93 IC9.C9 ; 33.88,50.18 v2(33.07,49.37)
  Top w0.2: 35.53,11.66 35.66,11.66 36.55,12.55 36.57,12.53 C117.1 ; C86.1 27.36,43.76 27.87,44.27 ; C82.1 26.86,45.43 IC9.F1 ; v2(32.85,14.55) 32.79,14.49 IC10.H9 ; 38.46,47.96 v4(37.92,47.42) ; C98.1 35.93,58.96 v4(35.81,59.08) ; IC9.D9 v2(30.72,51.65) IC9.C9 ; U10.V8 v2(44.57,53.73) ; IC9.D2 v2(26.76,46.56) ; C95.1 39.06,47.96 R88.1
  Top w0.25: v2(27.75,18.74) 27.31,19.18 C112.1 ; IC9.N1 v2(31.28,40.9) ; IC9.N9 36.19,45.99 v2(36.42,46.22) ; IC10.A8 27.76,17.93 27.76,18.73 ; U11.V8 44.15,17.35 v2(44.15,16.94) ; IC10.K8 32.8,13.26 v2(32.8,13.26) ; IC10.E9 v2(30.54,16.75) ; IC10.C1 v2(24.32,12.79) ; IC9.R1 v2(32.41,39.77) ; IC10.F1 v2(26.02,11.1) ; IC9.E9 v2(31.28,51.08) ; IC9.C1 v2(25.06,47.12) ; IC10.D2 v2(25.45,12.79) ; IC10.G7 v2(30.54,14.49) ; C88.1 23.58,48.26 IC9.A1 ; U11.P6 v2(42.1,20.2) ; IC10.R1 v2(31.67,5.44) ; IC10.R9 v2(36.76,10.53) ; IC10.D9 29.97,17.32 ; IC9.E2 v2(26.76,46.56) ; U11.N3 v2(39.7,21) ; IC10.K2 v2(29.41,8.83) ; v2(35.7,11.83) 35.53,11.66 IC10.N9 ; C93.1 38.28,44.86 IC9.R9 ; U10.T2 v2(39.37,55.34) ; C87.1 33.91,49.75 IC9.H9 ; IC9.K2 v2(30.15,43.16) ; IC10.A1 v2(23.19,13.93) ; IC10.N1 30.54,6.45 v2(30.29,6.2) ; IC9.K8 v2(34.11,47.12) ; IC10.E2 v2(26.02,12.23) ; IC9.H2 v2(28.45,44.86) ; U11.K4 v2(40.5,23.4) ; U10.P6 v2(42.57,56.94) ; IC10.H2 v2(27.71,10.53) ; U11.T2 v2(38.9,18.6) ; IC10.C9 v2(29.41,17.89) ; IC10.B2 v2(24.32,13.93) ; U10.N3 v2(40.17,57.74) ; IC9.B2 v2(25.06,48.26) ; IC9.G7 v2(31.28,48.82) ; U11.U5 v2(41.3,17.8)
  Top w0.35: C103.1 30.07,18.55 v2(29.41,17.89) ; C105.1 25.27,10.35 v2(26.02,11.1) ; 27.58,53.53 28.45,52.66 IC9.A8 ; U11.N3 v2(39.7,21) ; U11.K4 v2(40.5,23.4) ; v1(19.92,15) 20.63,15.71 C186.1 ; C94.1 37.06,46.86 v2(36.42,46.22) ; C118.1 38.39,13.08 R94.1 36.74,12.53 C117.1 ; v2(40.97,60.14) U10.K4 ; U11.U5 v2(41.3,17.8) ; 26.01,44.56 v4(25.57,44.12) ; C111.1 22.54,13.28 v2(23.19,13.93) 22.42,14.69 C121.1 21.63,14.69 v4(20.86,13.92) ; C88.1 22.34,47.02 v4(22.32,47.02) ; v2(36.76,10.53) 37.26,11.03 C116.1 ; U11.T2 v2(38.9,18.6) ; U11.P6 v2(42.1,20.2) ; U10.U5 v2(41.77,54.54)
  Top w0.4: C115.1 35.97,22.39 v2(35.7,22.67)
  Top w0.5: C366.1 C365.1 22.42,48.52 v1(21.32,47.42) ; v1(21.12,48.62) 21.12,49.67 21.37,49.92 ; v4(26.62,42.82) 27.03,43.23 C86.1 ; C121.1 C186.1 ; C111.1 22.18,13.28 v1(21.52,12.62) ; 21.32,50.07 20.67,49.42 v1(20.32,49.42)
  Bottom w0.141: 36.96,59.22 35.95,59.22 v4(35.81,59.08) ; C226.1 38.13,59.39 v2(38.21,59.31) ; 36.73,59.79 36.29,59.79 v4(36.12,59.62)
  Bottom w0.177: C106.1 23.96,13.93 v2(24.32,13.93)
  Bottom w0.186: C85.1 31.93,51.08 v2(31.28,51.08) ; 30.77,48.31 v2(31.28,48.82)
  Bottom w0.2: 43.09,57.2 42.83,56.94 v2(42.57,56.94) ; C97.1 30.89,40.51 v2(31.28,40.9) ; C81.1 30.17,42.02 30.17,43.15 v2(30.15,43.16) ; v2(30.54,14.49) 30.03,13.98 C119.1 ; v2(26.19,47.12) 26.19,46.49 25.56,45.86 ; v2(25.06,48.26) 24.71,48.26 C83.1 ; C91.1 24.84,46.91 v2(25.06,47.12) ; v2(32.41,39.77) 31.85,39.21 C78.1 ; v2(40.97,60.14) 41.07,60.14 41.65,60.72 41.65,60.82 ; v2(32.85,14.55) 33.14,14.55 C110.1 ; 44.94,54.1 v2(44.57,53.73)
  Bottom w0.25: C316.1 42.1,20.35 v2(42.1,20.2) ; C231.1 v2(39.37,55.34)
  Bottom w0.35: C104.1 29.44,7.88 29.44,8.8 v2(29.41,8.83) ; v2(30.02,17.36) 30.51,17.85 C113.1 ; C313.1 38.9,18.98 v2(38.9,18.6) ; v2(41.77,54.54) 41.53,54.78 C229.1 ; C108.1 30.85,17.07 v2(30.54,16.75) ; C114.1 24.1,12.58 v2(24.32,12.79) ; R47.1 37.78,75.39 30.4,75.39 29.59,76.19 29.59,76.22 28.34,77.47 28.34,78.79 30.25,80.7 C39.1 ; v2(40.5,23.4) 40.59,23.4 C315.1 ; v2(40.3,15.11) 40.69,15.5 C311.1 C312.1 ; v2(31.67,5.44) 31.11,4.88 C101.1 ; v2(25.45,12.79) 25.02,12.36 25.02,11.58 C102.1 ; C109.1 26.63,9.77 27.38,10.52 27.38,10.53 v2(27.71,10.53) ; v2(26.02,12.23) 26.29,11.95 C238.1 ; v2(26.76,46.56) 26.76,46.18 26.98,45.96 ; v2(30.72,51.65) 31.25,52.18 C90.1 ; C120.1 30.27,6.18 v2(30.29,6.2) ; C317.1 44.6,17.39 v2(44.15,16.94) ; 41.09,18.01 v2(41.3,17.8)
  Bottom w0.4: v2(35.7,22.67) 36.11,23.08 C310.1 ; C228.1 C227.1 40.57,51.64 v4(40.28,51.35)
  Bottom w0.5: C91.1 23.35,46.23 v4(23.35,45.89)
  vias: v2(28.27,52.82) v2(37.62,44.86) v4(29.92,81.92) v4(31.02,81.92) v4(32.22,81.92) v4(33.22,87.42) v4(33.22,86.42) v4(33.22,85.42) v4(33.22,84.42) v4(33.22,83.42) v4(33.62,81.92) v4(34.72,82.02)
+3V3: length 315.5
  Top w0.1: U10.U15 v2(50.57,54.54)
  Top w0.141: v4(6.57,31.92) 5.77,31.12 J4.B08 ; C126.2 v4(57.12,44.62) ; v4(21,30.97) 21.07,30.89 R56.1 ; R103.1 17.94,30.89 v4(17.72,31.12)
  Top w0.16: C173.1 108.59,35.56
  Top w0.17: U12.15 106.29,54.85 C68.1 107.1,55.05 v4(107.34,55.29) ; 107.67,45.82 107.72,45.82 v4(108.22,45.33) ; 107.67,45.82 107.68,45.83 ; 107.67,45.82 108.34,45.82 v4(108.34,45.82) ; C352.1 106.24,46.05 105.89,46.4
  Top w0.177: C204.2 44.6,78.92 ; C204.2 v1(42.82,78.12) ; C204.2 v1(41.92,78.92) ; v4(100.12,46.42) 100.27,46.27 C64.1 ; v4(101.47,46.97) 101.88,46.56 C364.1 ; v4(58.19,19.04) 58.36,19.21 C60.1 58.8,19.48 v4(59.04,19.72) ; v1(13.73,80.52) R118.2 ; C64.1 v4(100.85,46.99) ; C64.1 100.85,46.55 ; v4(147.22,4.22) 147.22,4.7 C164.1 146.62,4.72 v4(146.62,4.22) ; 102.47,47.22 102.42,47.22 101.88,46.68 101.88,46.38 ; R117.2 v1(11.72,80.52) ; 6.99,86.99 v1(7.02,87.02)
  Top w0.186: J5.2 44.06,43.15 C125.2 42.85,43.15 v4(42.32,42.62) ; v4(82.23,33.75) 82.1,33.62 C131.1 ; 60.42,19.2 58.81,19.2 ; v4(58.25,19.67) 58.71,19.21 C60.1 ; FB2.1 6.99,86.99 ; 43.36,43.36 v4(44.12,44.12)
  Top w0.2: v4(86.72,21.42) 86.49,21.19 R115.2 R114.2 R116.2 83.15,21.19 v4(82.82,21.52) ; v4(81.47,34.27) 81.5,34.24 C131.1 ; v4(84.02,33.92) 83.96,33.86 R119.2 ; 131.62,34.72 v4(131.32,34.42) ; 131.62,34.72 v4(131.92,34.42) ; 131.62,34.72 D10.5 ; R164.1 71.17,11.27 v1(71.22,11.22) ; 51.77,67.82 52.43,68.48 v2(52.48,68.48) ; v4(104.62,58.92) 104.5,59.04 104.5,59.6 ; v4(103.02,26.52) 103.14,26.64 L11.2 103.14,27.2 v4(103.72,26.62) ; v4(108.17,46.37) 107.67,45.87 107.67,45.82 ; v4(100.42,26.42) 100.47,26.47 C170.1 ; 32.86,80.89 28,80.89 v1(27.02,79.92) ; 54.34,44.3 v4(54.92,43.72) ; v2(38.02,24.37) 38.25,24.6 U11.J1 ; v4(104.11,55.82) 104.12,55.81 C363.1 104.12,54.59 103.89,54.36 U12.21 ; v4(54.97,45.07) J5.20 ; FB3.1 v4(104.2,13.24) ; FB3.1 103.8,12.29 v4(103.75,12.34) ; FB3.1 v4(104.2,11.44) ; U12.45 105.89,46.4 ; v1(61.33,58.03) 61.65,58.35 C58.1 61.73,58.35 v1(61.31,58.77) ; J6.2 58.03,43.31 C126.2 56.47,43.96 v4(56.47,44.37) ; v2(107.97,36.64) 108.15,36.82 C173.1 108.29,36.82 v4(107.97,37.14) ; U10.P8 U10.R9 ; 103.14,27.54 v4(102.42,26.82) ; U12.38 U12.37 102.69,47.44 102.47,47.22 ; 104.12,55.21 v4(103.48,55.85) ; C70.1 105.49,46.11 U12.44 ; C43.1 102.94,79.1 ; 104.2,12.24 v4(103.75,11.79) ; v4(98.57,52.47) 98.43,52.33 R107.1 96.72,52.33 96.72,52.32 96.72,53.21 v4(96.72,53.22) ; v4(82.22,31.22) 82.24,31.2 J10.2 J10.1 81.33,25.51 v4(80.82,26.02) ; v4(98.17,27.07) C172.1 98.74,26.6 v4(98.92,26.42) ; v1(66.82,33.32) 66.16,33.98 C202.2 65.48,33.98 65.02,33.52 65.02,33.32 v1(64.92,33.22) ; v4(68.74,45.11) 68.74,45.03 J6.20 68.61,44.22 v4(68.84,44.45) ; v2(53.02,62.16) 53,62.14 U10.H18 ; R54.1 35.78,81.06 35.37,81.47 33.71,81.47 33.7,81.46 33.44,81.46 32.97,81 R5.1 ; v4(75.02,36.22) 75.32,36.52 TP1.1 ; R62.2 101.27,58.77 v1(101.22,58.72) ; 100.47,27.17 v4(99.72,26.42) ; 104.2,12.44 v4(103.75,12.89) ; C244.1 v4(54.38,54.81) ; v3(95.72,62.42) 95.72,68.97 96.82,70.07 96.82,78.92 97.82,79.92 102.72,79.92 102.91,79.73 R51.2
  Top w0.25: v2(42.98,31.38) 42.98,31.29 43.27,31 ; U10.D16 v2(51.37,65.74) ; U11.F2 v2(38.9,27.4) ; U10.C13 v2(48.97,66.54) ; U10.P16 v2(51.37,56.94) ; U11.P8 v2(44.5,20.2) ; U10.K14 v2(49.77,60.14) ; U11.K14 v2(49.3,23.4) ; U11.C3 v2(39.7,29.8) ; U11.C13 v2(48.5,29.8) ; 102.54,27.37 100.49,27.37 ; U11.D16 v2(50.9,29) ; U11.G5 v2(41.3,26.6) ; U11.N13 v2(48.5,21) ; U10.R9 v2(44.97,56.14) ; U11.P16 v2(50.9,20.2) ; U10.G15 v2(50.57,63.34) ; U11.P12 v2(47.7,20.2) ; U11.H18 v2(52.5,25.8) ; v2(51.31,31.47) 51.3,31.46 U11.A17 ; C172.1 100.15,27.07 ; U11.R9 v2(44.5,19.4) ; U10.L17 v2(52.17,59.34) ; U11.U15 v2(50.1,17.8) ; U11.L17 v2(51.7,22.6) ; U11.D6 v2(42.1,29) ; v4(56.69,69.29) 56.49,69.09 56.49,67.87 54.39,67.87 v4(54.29,67.96) ; U10.T12 v2(48.17,55.34) ; U11.T12 v2(47.7,18.6) ; U11.G15 v2(50.1,26.6)